# Altium PCB BMS_Slave-X+X.PcbDoc (part 2 of 3)
Units mil, origin at the board's own origin, x right, y up, seen from the top; angles counter-clockwise.
Board outline 10980 x 2910 mil, 2 copper layers (Top Layer, Bottom Layer); 344 components, 227 nets, 912 pads, 975 vias.
Unrouted connection lines stored in the file: 1.
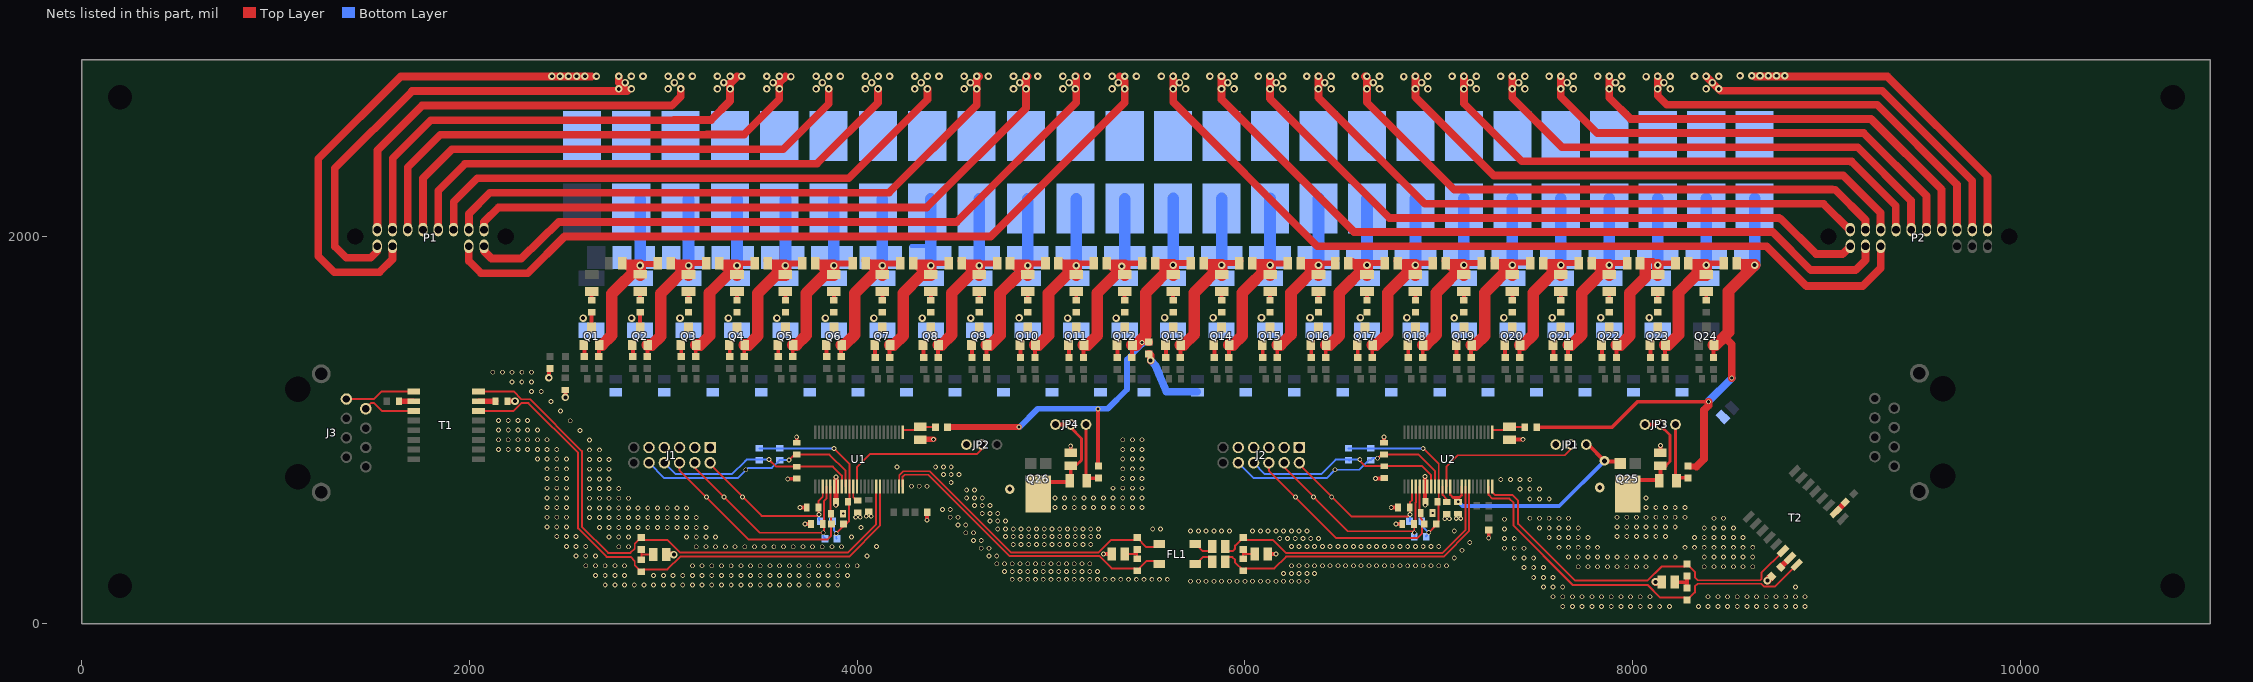
[diagram p2: the nets of this part, all layers, seen from the top]

## Via types
v1: diameter 25, hole 16, Top Layer to Bottom Layer, tented both sides, 689 vias
v2: diameter 39, hole 20, Top Layer to Bottom Layer, tented both sides, 183 vias
v3: diameter 25, hole 12, Top Layer to Bottom Layer, tented both sides, 62 vias
v4: diameter 39, hole 20, Top Layer to Bottom Layer, tented bottom, 25 vias
v5: diameter 25, hole 16, Top Layer to Bottom Layer, tented bottom, 12 vias
v6: diameter 50, hole 25, Top Layer to Bottom Layer, tented bottom, 4 vias

## Nets (pads, with @x,y where several pads share a name; then routed paths per layer and width w, separated by ;. In a path a pad name is that pad's centre, name@x,y a point inside that pad or via, vN(x,y) a via of type N, cw(c..) or ccw(c..) an arc to the next point about the centre after c; other vN are vias at no path point) (continued)
CELL1: C1.1 C2.2 D1.1 D2.2 D47.1 F2.2 Q1.2 R3.2 R77.2 | length 1176.8
  Top Layer w20: R3.2@2667.4,1378.16 Q1.2@2667.4,1438.39
  Top Layer w30: C1.1@2783,1873.66 2798.82,1873.66 2823.82,1848.66 ; v2@2880,1848.66 2882.44,1848.66 2891.03,1857.26 2960.6,1857.26 C2.2@2977,1873.66
  Top Layer w40: Q1.2@2667.4,1438.39 Q1.2@2683.72,1438.39 ; D47.1@2880,1798.19 D47.1@2880.16,1798.03
  Top Layer w60: Q1.2@2683.72,1438.39 2734,1488.66 2734,1702.66 v2@2880,1848.66 ; 2823.82,1848.66 v2@2880,1848.66 ; D47.1@2880,1798.19 v2@2880,1848.66
  Bottom Layer w60: D2.2@2880,1848.66 F2.2@2880,2191.97
  other v2: 2880.24,1848.9
CELL2: C2.1 C3.2 D2.1 D3.2 D46.1 F3.2 Q2.2 R5.2 R78.2 | length 1180.3
  Top Layer w20: R5.2@2917.64,1378.4 2917.64,1438.39 Q2.2@2917.64,1438.62
  Top Layer w30: C2.1@3033,1873.66 3055,1873.66 3080,1848.66 ; v2(3130,1848.66) 3132.44,1848.66 3145.47,1861.7 3215.04,1861.7 C3.2@3227,1873.66
  Top Layer w60: Q2.2@2917.4,1438.39 2917.64,1438.39 2939.72,1438.39 2986,1484.66 2986,1704.66 v2(3130,1848.66) ; 3080,1848.66 v2(3130,1848.66) ; D46.1@3130,1798.03 v2(3130,1848.66)
  Bottom Layer w60: v2(3130,1848.66) F3.2@3130,2191.97
CELL3: C3.1 C4.2 D3.1 D4.2 D45.1 F4.2 Q3.2 R7.2 R79.2 | length 1187.4
  Top Layer w20: R7.2@3167.4,1378.16 Q3.2@3167.4,1438.39
  Top Layer w30: C3.1@3283,1873.66 3295,1873.66 3320,1848.66 ; v2(3380,1848.66) 3382.44,1848.66 3393.77,1860 3463.34,1860 C4.2@3477,1873.66
  Top Layer w60: Q3.2@3167.4,1438.39 3189.85,1438.39 3238,1486.53 3238,1706.66 v2(3380,1848.66) ; 3320,1848.66 v2(3380,1848.66) ; D45.1@3380,1798.03 v2(3380,1848.66)
  Bottom Layer w20: D4.2@3380,1948.66 3375,1948.66 3380,1953.66
  Bottom Layer w60: v2(3380,1848.66) D4.2@3380,1948.66 ; 3380,1953.66 F4.2@3380,2191.97
CELL4: C4.1 C5.2 D4.1 D5.2 D44.1 F5.2 Q4.2 R9.2 R80.2 | length 1154.4
  Top Layer w20: R9.2@3417.4,1378.16 Q4.2@3417.4,1438.39
  Top Layer w30: C4.1@3533,1873.66 3550,1873.66 3575,1848.66 ; v2(3630,1848.66) 3632.44,1848.66 3643.69,1859.91 3708.25,1859.91 C5.2@3722,1873.66
  Top Layer w60: Q4.2@3417.4,1438.39 3439.85,1438.39 3487,1485.53 3487,1705.66 3579.37,1798.03 3630,1798.03 v2(3630,1848.66) 3575,1848.66
  Bottom Layer w60: v2(3630,1848.66) F5.2@3630,2191.97
CELL5: C5.1 C6.2 D5.1 D6.2 D43.1 F6.2 Q5.2 R11.2 R81.2 | length 1167.6
  Top Layer w20: R11.2@3667.4,1378.16 Q5.2@3667.4,1438.39
  Top Layer w30: C5.1@3778,1873.66 3794.06,1873.66 3819.06,1848.66 ; v2(3880,1848.66) 3882.44,1848.66 3893.69,1859.91 3968.25,1859.91 C6.2@3982,1873.66
  Top Layer w60: Q5.2@3667.4,1438.39 3686.85,1438.39 3737,1488.53 3737,1705.66 3829.37,1798.03 3880,1798.03 v2(3880,1848.66) 3819.06,1848.66
  Bottom Layer w60: v2(3880,1848.66) F6.2@3880,2191.97
CELL6: C6.1 C7.2 D6.1 D7.2 D42.1 F7.2 Q6.2 R13.2 R82.2 | length 1103.3
  Top Layer w20: R13.2@3917.4,1378.16 Q6.2@3917.4,1438.39
  Top Layer w30: C6.1@4038,1873.66 4055,1873.66 4080,1848.66 ; v2@4132.44,1848.66 4143.69,1859.91 4213.25,1859.91 C7.2@4227,1873.66
  Top Layer w60: Q6.2@3917.4,1438.39 3933.72,1438.39 3987,1491.66 3987,1705.66 4085,1803.66 ; 4080,1848.66 v2@4127.56,1848.66 ; D42.1@4130,1798.03 v2(4130,1848.66)
  Bottom Layer w60: v2(4130,1848.66) F7.2@4130,2191.97
CELL7: C7.1 C8.2 D7.1 D8.2 D41.1 F8.2 Q7.2 R15.2 R83.2 | length 1264
  Top Layer w20: R15.2@4167.4,1373.16 Q7.2@4167.4,1438.39
  Top Layer w30: C7.1@4283,1873.66 4295,1873.66 4320,1848.66 ; v2(4380,1848.66) 4382.44,1848.66 4393.77,1860 4463.34,1860 C8.2@4477,1873.66
  Top Layer w60: Q7.2@4167.4,1438.39 4188.72,1438.39 4237,1486.66 4237,1705.66 4329.37,1798.03 4380,1798.03 v2(4380,1848.66) 4320,1848.66
  Bottom Layer w20: D7.1@4279.69,1948.66 4380,1948.66
  Bottom Layer w60: v2(4380,1848.66) 4380,1948.66 F8.2@4380,2191.97
CELL8: C8.1 C9.2 D8.1 D9.2 D40.1 F9.2 Q8.2 R17.2 R84.2 | length 1110.1
  Top Layer w20: R17.2@4417.4,1373.16 Q8.2@4417.4,1438.39
  Top Layer w30: C8.1@4533,1873.66 4550,1873.66 4575,1848.66 ; v2(4630,1848.66) 4632.44,1848.66 4643.69,1859.91 4713.25,1859.91 C9.2@4727,1873.66
  Top Layer w60: Q8.2@4417.4,1438.39 4434.85,1438.39 4488,1491.53 4488,1706.66 4578.82,1797.48 ; 4575,1848.66 v2(4630,1848.66) D40.1@4630,1798.03
  Bottom Layer w60: v2(4630,1848.66) F9.2@4630,2191.97
CELL9: C9.1 C10.2 D9.1 D10.2 D39.1 F10.2 Q9.2 R19.2 R85.2 | length 1105.7
  Top Layer w20: R19.2@4667.4,1373.16 Q9.2@4667.4,1438.39
  Top Layer w30: C9.1@4783,1873.66 4795,1873.66 4820,1848.66 ; v2(4880,1848.66) 4882.44,1848.66 4893.69,1859.91 4963.25,1859.91 C10.2@4977,1873.66
  Top Layer w60: Q9.2@4667.4,1438.39 4686.72,1438.39 4737,1488.66 4737,1705.66 4825,1793.66 ; 4820,1848.66 v2(4880,1848.66) D39.1@4880,1798.03
  Bottom Layer w60: v2(4880,1848.66) F10.2@4880,2191.97
CELL10: C10.1 C11.2 D10.1 D11.2 D38.1 F11.2 Q10.2 R21.2 R86.2 | length 1183.5
  Top Layer w20: R21.2@4917.4,1373.16 Q10.2@4917.4,1438.39
  Top Layer w30: C10.1@5033,1873.66 5050,1873.66 5075,1848.66 ; v2(5130,1848.66) 5132.44,1848.66 5143.77,1860 5213.34,1860 C11.2@5227,1873.66
  Top Layer w60: Q10.2@4917.4,1438.39 4936.72,1438.39 4987,1488.66 4987,1705.66 v2(5130,1848.66) ; 5075,1848.66 v2(5130,1848.66) ; D38.1@5130,1798.03 v2(5130,1848.66)
  Bottom Layer w60: v2(5130,1848.66) F11.2@5130,2191.97
CELL11: C11.1 C12.2 D11.1 D12.2 D37.1 F12.2 Q11.2 R23.2 R87.2 | length 1184.7
  Top Layer w20: R23.2@5167.4,1373.16 Q11.2@5167.4,1438.39
  Top Layer w30: C11.1@5283,1873.66 5295,1873.66 5320,1848.66 ; v2@5380,1848.66 5382.44,1848.66 5393.77,1860 5463.34,1860 C12.2@5477,1873.66
  Top Layer w60: Q11.2@5167.4,1438.39 5188.72,1438.39 5238,1487.66 5238,1706.66 v2@5380,1848.66 ; 5320,1848.66 v2@5380,1848.66 ; D37.1@5380,1798.03 v2@5380,1848.66
  Bottom Layer w60: v2@5380,1848.66 F12.2@5380,2191.97
  other v2: 5365,1845
CELL12: C12.1 C13.2 D12.1 D13.2 D36.1 F13.2 Q12.2 R25.2 R63.2 R88.2 R101.2 R122.2 | length 2807.2
  Top Layer w20: v1(5243,1109) 5243,815.16 R122.2@5245,813.16 ; R25.2@5417.4,1373.16 R25.2@5417.4,1374.66 Q12.2@5417.4,1438.39
  Top Layer w30: R101.2@4464.27,1014.67 4464.75,1015.16 4464.91,1015 v1(4835,1015) ; C12.1@5533,1873.66 5550,1873.66 5572.5,1851.16 ; v2(5630,1851.16) 5632.44,1851.16 5643.69,1862.41 5715.75,1862.41 C13.2@5727,1873.66
  Top Layer w40: 5478.33,1478.33 5503.5,1453.16 R63.2@5505,1453.16
  Top Layer w60: Q12.2@5417.4,1438.39 Q12.2@5419.9,1438.39 5438.39,1438.39 5478.33,1478.33 5488,1488 5488,1709.16 v2(5630,1851.16) ; 5572.5,1851.16 v2(5630,1851.16) ; D36.1@5630,1798.03 v2(5630,1851.16)
  Bottom Layer w30: v1(4835,1015) 4837.34,1015 4932,1109.66 v1@5245,1109.66 ; v1(5243,1109) 5243.66,1109 5244,1108.66 v1@5245,1109.66 ; v1(5469,1452) 5469,1441 5392,1364 5392,1208.66 5293,1109.66 v1@5245,1109.66
  Bottom Layer w60: v2(5630,1851.16) F13.2@5630,2142.98 F13.2@5630,2194.47
CELL13: C13.1 C14.2 D13.1 D14.2 D35.1 F14.2 Q13.2 R27.2 R89.2 | length 1184.7
  Top Layer w20: R27.2@5667.4,1373.16 Q13.2@5667.4,1438.39
  Top Layer w30: C13.1@5783,1873.66 5795,1873.66 5817.5,1851.16 ; v2(5880,1851.16) 5882.44,1851.16 5892.97,1861.7 5965.04,1861.7 C14.2@5977,1873.66
  Top Layer w60: Q13.2@5667.4,1438.39 5683.72,1438.39 5738,1492.66 5738,1709.16 v2(5880,1851.16) ; 5817.5,1851.16 v2(5880,1851.16) ; D35.1@5880,1798.03 v2(5880,1851.16)
  Bottom Layer w60: v2(5880,1851.16) 5880,2128.54 F14.2@5880,2194.47
CELL14: C14.1 C15.2 D14.1 D15.2 D34.1 F15.2 Q14.2 R29.2 R90.2 | length 1187.6
  Top Layer w20: R29.2@5917.4,1373.16 Q14.2@5917.4,1438.39
  Top Layer w30: C14.1@6033,1873.66 6050,1873.66 6072.5,1851.16 ; v2(6130,1851.16) 6132.44,1851.16 6141.19,1859.91 6213.25,1859.91 C15.2@6227,1873.66
  Top Layer w60: Q14.2@5917.4,1438.39 5938.72,1438.39 5987,1486.66 5987,1708.16 v2(6130,1851.16) ; 6072.5,1851.16 v2(6130,1851.16) ; D34.1@6130,1798.03 v2(6130,1851.16)
  Bottom Layer w60: v2(6130,1851.16) 6130,2128.54 F15.2@6130,2194.47
CELL15: C15.1 C16.2 D15.1 D16.2 D33.1 F16.2 Q15.2 R31.2 R91.2 | length 1179.7
  Top Layer w20: R31.2@6167.4,1373.16 Q15.2@6167.4,1438.39
  Top Layer w30: C15.1@6283,1873.66 6300,1873.66 6322.5,1851.16 ; v2(6380,1851.16) 6382.44,1851.16 6391.27,1860 6458.34,1860 C16.2@6472,1873.66
  Top Layer w60: Q15.2@6167.4,1438.39 6183.72,1438.39 6238,1492.66 6238,1709.16 v2(6380,1851.16) ; 6322.5,1851.16 v2(6380,1851.16) ; D33.1@6380,1798.03 v2(6380,1851.16)
  Bottom Layer w60: v2(6380,1851.16) 6380,2128.54 F16.2@6380,2194.47
CELL16: C16.1 C17.2 D16.1 D17.2 D32.1 F17.2 Q16.2 R33.2 R92.2 | length 1192.6
  Top Layer w20: R33.2@6417.4,1373.16 Q16.2@6417.4,1438.39
  Top Layer w30: C16.1@6528,1873.66 6553.82,1873.66 6576.32,1851.16 ; v2(6630,1851.16) 6632.44,1851.16 6642.97,1861.7 6715.04,1861.7 C17.2@6727,1873.66
  Top Layer w60: Q16.2@6417.4,1438.39 6438.72,1438.39 6487,1486.66 6487,1708.16 v2(6630,1851.16) ; 6576.32,1851.16 v2(6630,1851.16) ; D32.1@6630,1798.03 v2(6630,1851.16)
  Bottom Layer w60: v2(6630,1851.16) 6630,2128.54 F17.2@6630,2194.47
CELL17: C17.1 C18.2 D17.1 D18.2 D31.1 F18.2 Q17.2 R35.2 R93.2 | length 1151.5
  Top Layer w20: R35.2@6657.4,1373.16 Q17.2@6657.4,1438.39
  Top Layer w30: C17.1@6783,1873.66 6800.91,1873.66 6823.41,1851.16 ; v2(6880,1851.16) 6882.44,1851.16 6891.27,1860 6960.7,1860 C18.2@6974.36,1873.66
  Top Layer w60: Q17.2@6657.4,1438.39 6678.72,1438.39 6738,1497.66 6738,1709.16 D31.1@6853.36,1824.52 ; 6823.41,1851.16 v2(6880,1851.16) 6880,1798.19 D31.1@6879.84,1798.03
  Bottom Layer w60: v2(6880,1851.16) 6880,2128.54 F18.2@6880,2194.47
CELL18: C18.1 C19.2 D18.1 D19.2 D30.1 F19.2 Q18.2 R37.2 R94.2 | length 1187.9
  Top Layer w20: R37.2@6917.4,1373.16 Q18.2@6917.4,1438.39
  Top Layer w30: C18.1@7030.36,1873.66 7040,1873.66 7062.5,1851.16 ; v2(7130,1851.16) 7132.44,1851.16 7142.97,1861.7 7215.04,1861.7 C19.2@7227,1873.66
  Top Layer w60: Q18.2@6917.4,1438.39 6934.72,1438.39 6987,1490.66 6987,1708.16 v2(7130,1851.16) ; 7062.5,1851.16 v2(7130,1851.16) ; D30.1@7130,1798.03 v2(7130,1851.16)
  Bottom Layer w60: v2(7130,1851.16) 7130,2128.54 F19.2@7130,2194.47
CELL19: C19.1 C20.2 D19.1 D20.2 D29.1 F20.2 Q19.2 R39.2 R95.2 | length 1187.6
  Top Layer w20: R39.2@7167.4,1373.16 Q19.2@7167.4,1438.39
  Top Layer w30: C19.1@7283,1873.66 7300,1873.66 7322.5,1851.16 ; v2(7380,1851.16) 7382.44,1851.16 7396.27,1865 7468.34,1865 C20.2@7477,1873.66
  Top Layer w60: Q19.2@7167.4,1438.39 7188.72,1438.39 7237,1486.66 7237,1708.16 v2(7380,1851.16) ; 7322.5,1851.16 v2(7380,1851.16) ; D29.1@7380,1798.03 v2(7380,1851.16)
  Bottom Layer w60: v2(7380,1851.16) 7380,2128.54 F20.2@7380,2194.47
CELL20: C20.1 C21.2 D20.1 D21.2 D28.1 F21.2 Q20.2 R41.2 R96.2 | length 1185.3
  Top Layer w20: R41.2@7417.4,1373.16 Q20.2@7417.4,1438.39
  Top Layer w30: C20.1@7533,1873.66 7546.34,1873.66 7568.84,1851.16 ; v2(7630,1851.16) 7632.44,1851.16 7642.97,1861.7 7715.04,1861.7 C21.2@7727,1873.66
  Top Layer w60: Q20.2@7417.4,1438.39 7434.72,1438.39 7488,1491.66 7488,1709.16 v2(7630,1851.16) ; 7568.84,1851.16 v2(7630,1851.16) ; D28.1@7630,1798.03 v2(7630,1851.16)
  Bottom Layer w60: v2(7630,1851.16) 7630,2128.54 F21.2@7630,2194.47
CELL21: C21.1 C22.2 D21.1 D22.2 D27.1 F22.2 Q21.2 R43.2 R97.2 | length 1185.3
  Top Layer w20: R43.2@7667.4,1373.16 Q21.2@7667.4,1438.39
  Top Layer w30: C21.1@7783,1873.66 7795,1873.66 7817.5,1851.16 ; v2(7880,1851.16) 7882.44,1851.16 7892.97,1861.7 7965.04,1861.7 C22.2@7977,1873.66
  Top Layer w60: Q21.2@7667.4,1438.39 7684.72,1438.39 7738,1491.66 7738,1709.16 v2(7880,1851.16) ; 7817.5,1851.16 v2(7880,1851.16) ; D27.1@7880,1798.03 v2(7880,1851.16)
  Bottom Layer w60: v2(7880,1851.16) 7880,2128.54 F22.2@7880,2194.47
CELL22: C22.1 C23.2 D22.1 D23.2 D26.1 F23.2 Q22.2 R45.2 R98.2 | length 1161.1
  Top Layer w20: R45.2@7917.4,1373.16 Q22.2@7917.4,1438.39
  Top Layer w30: C22.1@8033,1873.66 8105.06,1873.66 8127.56,1851.16 v2(8130,1851.16) 8132.44,1851.16 8141.27,1860 8213.34,1860 C23.2@8227,1873.66
  Top Layer w60: Q22.2@7917.4,1438.39 7938.72,1438.39 7986,1485.66 7986,1707.16 8065.91,1787.07 8065.91,1851.16 ; D26.1@8130,1798.03 v2(8130,1851.16)
  Bottom Layer w60: v2(8130,1851.16) 8130,2128.54 F23.2@8130,2194.47
CELL23: C23.1 C24.2 D23.1 D24.2 D25.1 F24.2 Q23.2 R47.2 R99.2 | length 1163.3
  Top Layer w20: R47.2@8167.4,1373.16 Q23.2@8167.4,1438.39
  Top Layer w30: C23.1@8283,1873.66 8292.5,1873.66 8315,1851.16 ; v2(8380,1851.16) 8382.44,1851.16 8391.27,1860 8463.34,1860 C24.2@8477,1873.66
  Top Layer w60: Q23.2@8167.4,1438.39 8184.72,1438.39 8237,1490.66 8237,1708.16 8326.87,1798.03 8380,1798.03 v2(8380,1851.16) 8315,1851.16
  Bottom Layer w60: v2(8380,1851.16) 8380,2128.54 F24.2@8380,2194.47
CELL24: C24.1 D24.1 F25.2 Q24.2 R49.2 R100.2 R121.2 | length 2762.7
  Top Layer w20: R100.2@7504.58,1014.67 R100.2@7506.08,1014.67 7894.67,1014.67 8026,1146 v1(8391.27,1146) ; R49.2@8417.4,1373.16 R49.2@8417.4,1374.66 Q24.2@8417.4,1438.39
  Top Layer w30: R121.2@8297.84,812.37 8330.37,812.37 ; C24.1@8533,1873.66 8550,1873.66 8572.5,1851.16
  Top Layer w40: 8330.37,812.37 8368,850 8368,1102.84 8391.27,1126.12 v1(8391.27,1146) ; 8478.34,1475.66 8512,1442 v1(8512,1268)
  Top Layer w60: Q24.2@8417.4,1438.39 Q24.2@8419.9,1438.39 8429.72,1438.39 8475,1483.66 ; 8478.34,1475.66 8478.34,1487 8495,1503.66 8495,1716.16 v2(8630,1851.16) 8572.5,1851.16
  Bottom Layer w20: 8625,1948.66 8630,1953.66
  Bottom Layer w40: v1(8391.27,1146) 8391.27,1147.27 v1(8512,1268)
  Bottom Layer w60: v2(8630,1851.16) 8630,1953.66 F25.2@8630,2142.98 F25.2@8630,2194.47
CELL_UF_0: F1.1 P1.3 | length 2599.1
  Top Layer w40: P1.3@1602.52,1947.48 1602.52,1881.18 1535.37,1814.03 1302.3,1814.03 1220,1896.34 1220,2398.66 1645,2823.66 2552.5,2823.66 2630,2823.66
  other v2: 2425,2825 2467.5,2825 2510,2825 2552.5,2825 2595,2825
  other v4: 2655,2825
CELL_UF_1: F2.1 P1.4 | length 2453.9
  Top Layer w40: P1.4@1523.78,1947.48 1523.78,1922.44 1490,1888.66 1363.82,1888.66 1305,1947.48 1305,2349.88 1703.78,2748.66 2814.4,2748.66 2770,2793.06 v2(2770,2825)
  other v2: 2770,2760 2835,2760 2802.5,2792.5 2835,2825
  other v4: 2895,2825
CELL_UF_2: F3.1 P1.12 | length 2129.6
  Top Layer w40: P1.12@1523.78,2034.09 1525.16,2034.09 1525.16,2443.82 1755,2673.66 3042.73,2673.66 3089.55,2720.47 v2(3089.55,2760)
  other v2: 3024.55,2760 3057.05,2792.5 3024.55,2825 3089.55,2825
  other v4: 3149.55,2825
CELL_UF_3: F4.1 P1.11 | length 2373.2
  Top Layer w40: P1.11@1602.52,2034.09 1603.9,2034.09 1603.9,2402.56 1800,2598.66 3053.66,2598.66 3055,2600 3246.59,2600 3343.86,2697.27 3343.86,2787.52 3380,2823.66
  other v2: 3279.09,2760 3344.09,2760 3311.59,2792.5 3279.09,2825 3344.09,2825
  other v4: 3404.09,2825
CELL_UF_4: F5.1 P1.10 | length 2514.2
  Top Layer w40: P1.10@1681.26,2034.09 1681.26,2354.92 1850,2523.66 3223.66,2523.66 3225,2525 3417.48,2525 3598.41,2705.93 3598.41,2792.07 3630,2823.66
  other v2: 3533.64,2760 3598.64,2760 3566.14,2792.5 3533.64,2825 3598.64,2825
  other v4: 3658.41,2823.66
CELL_UF_5: F6.1 P1.9 | length 2593.8
  Top Layer w40: P1.9@1760,2034.09 1760,2298.66 1910,2448.66 3618.66,2448.66 3853.18,2683.18 v2(3853.18,2760)
  other v2: 3788.18,2760 3820.68,2792.5 3788.18,2825 3853.18,2825
  other v4: 3913.18,2825
CELL_UF_6: F7.1 P1.8 | length 2728.9
  Top Layer w40: P1.8@1838.74,2034.09 1838.74,2234.92 1977.48,2373.66 3792.4,2373.66 4107.73,2688.99 v2(4107.73,2760)
  other v2: 4042.73,2760 4075.23,2792.5 4042.73,2825 4107.73,2825
  other v4: 4167.73,2825
CELL_UF_7: F8.1 P1.7 | length 2861.9
  Top Layer w40: P1.7@1917.48,2034.09 1918.86,2034.09 1918.86,2177.52 2040,2298.66 3956.26,2298.66 4362.27,2704.67 v2(4362.27,2760)
  other v2: 4297.27,2760 4329.77,2792.5 4297.27,2825 4362.27,2825
  other v4: 4422.27,2825
CELL_UF_8: F9.1 P1.6 | length 3085.9
  Top Layer w40: P1.6@1997.6,2034.09 1997.6,2116.3 2104.96,2223.66 4163.66,2223.66 4616.59,2676.59 4616.59,2810.25 v2@4630,2823.66
  other v2: 4551.82,2760 4616.82,2760 4584.32,2792.5 4551.82,2825 4616.82,2825
  other v4: 4676.82,2825
CELL_UF_9: F10.1 P1.5 | length 3245.3
  Top Layer w40: P1.5@2074.96,2034.09 2074.96,2073.62 2150,2148.66 4358.66,2148.66 4871.36,2661.36 v2(4871.36,2760) 4871.36,2815.02 v2@4880,2823.66
  other v2: 4806.36,2760 4838.86,2792.5 4806.36,2825 4871.36,2825
  other v4: 4931.36,2825
CELL_UF_10: F11.1 P1.1 | length 3560.4
  Top Layer w40: P1.1@2074.96,1947.48 2074.96,1923.7 2113.56,1885.1 2266.44,1885.1 2460,2073.66 4513.66,2073.66 5130,2690 v2@5130,2823.66
  other v2: 5060.91,2760 5125.91,2760 5093.41,2792.5 5060.91,2825 5125.91,2825
  other v4: 5185.91,2825
CELL_UF_11: F12.1 P1.2 | length 3994.3
  Top Layer w40: P1.2@1996.22,1947.48 1996.22,1872.44 2060,1808.66 2300,1808.66 2490,1998.66 4688.66,1998.66 5380,2690 5380,2798.66 5355,2823.66
  other v2: 5315.45,2760 5380.45,2760 5347.95,2792.5 5315.45,2825 5380.45,2825
  other v4: 5440.45,2825
CELL_UF_12: F13.1 P2.4 | length 4325
  Top Layer w40: v2@5630,2823.66 5630,2692.48 6373.82,1948.66 8691.34,1948.66 8897,1743 9187.55,1743 9280.43,1835.88 P2.4@9280.43,1947.48
  other v2: 5629.55,2760 5694.55,2760 5662.05,2792.5 5629.55,2825 5694.55,2825
  other v4: 5569.55,2825
CELL_UF_13: F14.1 P2.5 | length 3897.1
  Top Layer w40: v2@5880,2823.66 5880,2705 6563.42,2021.58 8723.42,2021.58 8920,1825 9150,1825 9201.69,1876.69 P2.5@9201.69,1947.48
  other v2: 5879.55,2760 5944.55,2760 5912.05,2792.5 5879.55,2825 5944.55,2825
  other v4: 5819.55,2825
CELL_UF_14: F15.1 P2.6 | length 3455.2
  Top Layer w40: v2@6130,2823.66 6130,2710 6745.51,2094.49 8755.51,2094.49 8760,2090 8765,2090 8947,1908 9083.47,1908 P2.6@9122.95,1947.48
  other v2: 6129.55,2760 6194.55,2760 6162.05,2792.5 6129.55,2825 6194.55,2825
  other v4: 6069.55,2825
CELL_UF_15: F16.1 P2.16 | length 3135.7
  Top Layer w40: v2@6380,2823.66 6380,2715 6927.59,2167.41 8984.64,2167.41 P2.16@9122.95,2029.09
  other v2: 6379.55,2760 6444.55,2760 6412.05,2792.5 6379.55,2825 6444.55,2825
  other v4: 6319.55,2825
CELL_UF_16: F17.1 P2.15 | length 3015.2
  Top Layer w40: v2@6620,2823.66 6629.55,2814.12 v2(6629.55,2760) 6629.55,2690.45 7079.67,2240.33 9029.67,2240.33 9030,2240 9045.31,2240 9201.69,2083.62 P2.15@9201.69,2034.09 P2.15@9201.69,2029.09
  other v2: 6694.55,2760 6662.05,2792.5 6629.55,2825 6694.55,2825
  other v4: 6569.55,2825
CELL_UF_17: F18.1 P2.14 | length 2844.9
  Top Layer w40: v2@6880,2823.66 6880,2717.5 7284.26,2313.24 9087.07,2313.24 9279.05,2121.26 9279.05,2030.47 P2.14@9280.43,2029.09
  other v2: 6879.55,2760 6944.55,2760 6912.05,2792.5 6879.55,2825 6944.55,2825
  other v4: 6820,2823.66
CELL_UF_18: F19.1 P2.13 | length 2714.7
  Top Layer w40: v2@7130,2823.66 7130,2685 7428.84,2386.16 9123.84,2386.16 9125,2385 9130.31,2385 9357.79,2157.52 9357.79,2029.09 P2.13@9359.17,2029.09
  other v2: 7129.55,2760 7194.55,2760 7162.05,2792.5 7129.55,2825 7194.55,2825
  other v4: 7069.55,2825
CELL_UF_19: F20.1 P2.12 | length 2540.5
  Top Layer w40: v2@7380,2823.66 7380,2715 7635.92,2459.08 9161.24,2459.08 9436.53,2183.78 9436.53,2030.47 P2.12@9437.91,2029.09
  other v2: 7379.55,2760 7444.55,2760 7412.05,2792.5 7379.55,2825 7444.55,2825
  other v4: 7319.55,2825
CELL_UF_20: F21.1 P2.11 | length 2381.7
  Top Layer w40: v2@7630,2823.66 7630,2720 7818.01,2531.99 9193.32,2531.99 9516.65,2208.66 P2.11@9516.65,2034.09 P2.11@9516.65,2029.09
  other v2: 7629.55,2760 7694.55,2760 7662.05,2792.5 7629.55,2825 7694.55,2825
  other v4: 7569.55,2825
CELL_UF_21: F22.1 P2.10 | length 2231.7
  Top Layer w40: v2@7880,2823.66 7880,2715 7990.09,2604.91 9230.4,2604.91 9594.28,2241.03 9594.28,2030.21 P2.10@9595.39,2029.09
  other v2: 7879.55,2760 7944.55,2760 7912.05,2792.5 7879.55,2825 7944.55,2825
  other v4: 7819.55,2825
CELL_UF_22: F23.1 P2.9 | length 2069.9
  Top Layer w40: v2@8130,2823.66 8130,2725 8177.17,2677.83 9262.17,2677.83 9265,2675 9265.31,2675 9674.13,2266.18 P2.9@9674.13,2034.09 P2.9@9674.13,2029.09
  other v2: 8129.55,2760 8194.55,2760 8162.05,2792.5 8129.55,2825 8194.55,2825
  other v4: 8070,2823.66
CELL_UF_23: F24.1 P2.8 | length 1852.7
  Top Layer w40: v2@8380,2823.66 8452.92,2750.74 9288.56,2750.74 9752.87,2286.44 P2.8@9752.87,2034.09 P2.8@9752.87,2029.09
  other v2: 8379.55,2760 8444.55,2760 8412.05,2792.5 8379.55,2825 8444.55,2825
  other v4: 8319.55,2825
CELL_UF_24: F25.1 P2.7 | length 1688.3
  Top Layer w40: v2@8630,2823.66 9314.64,2823.66 9831.61,2306.69 P2.7@9831.61,2034.09
  other v2: 8615,2828 8657.5,2828 8700,2828 8742.5,2828 8785,2828
  other v4: 8555,2828
GNDA: C25.2 C26.2 C27.2 C28.2 C29.2 C30.2 C31.2 C32.2 C33.2 C34.2 C35.2 C36.2 C51.2 C53.2 C55.2 C57.2 C59.2 C61.2 C63.2 C65.2 C66.2 C68.2 C70.2 C74.2 C76.2 C77.2 J1.1 J1.3 J1.5 J1.7 J1.9 JP2.3 R50.1 R118.2 U1.30 U1.31 | length 648.8
  Top Layer w10: U1.30@3881.46,708.9 U1.30@3881.57,709.02 ; v1(3890,757.76) 3890,753.97 v1@3890.68,753.29 ; U1.31@3900.24,709.8 U1.31@3901.14,708.9
  Top Layer w20: v2(2410,1270) 2410,1313.81 R50.1@2415,1318.81 ; v2(2495,1168.84) C77.2@2495,1210.48 ; v1(3642,747.52) 3642.96,748.48 3686.04,748.48 C55.2@3686.51,748.01 ; C55.2@3687,749.5 C55.2@3688,748.5 ; C53.2@3688,935.65 v1(3688,964) ; v1(3705,600) C61.2@3738.5,600 ; v1(3730,515) C59.2@3760.68,515 ; C57.2@3927.4,568.76 v3(3927.71,569.07) ; C66.2@4001.77,573.87 4002.4,574.5 C66.2@4003,574.5 ; C68.2@4058.62,577.87 4059.25,578.5 C68.2@4059.33,578.5 ; v1(4359.5,535) R118.2@4359.5,575 ; C70.2@5101.52,880.16 v1(5101.52,918.66) ; v1(5271,361) C65.2@5315.5,361